# Altium PCB main - Copy.PcbDoc (part 12 of 14)
Units mil, origin at the board's own origin, x right, y up, seen from the top; angles counter-clockwise.
Board outline 8394.55 x 5164.44 mil, 7 copper layers (Top Layer 1, Layer 2, Layer 3, Unused, Layer 4_pow, Layer 5_gnd, Bottom 6+gnd), stack 46.112 mil thick; 406 components, 463 nets, 1919 pads, 903 vias.
Unrouted connection lines stored in the file: 147.
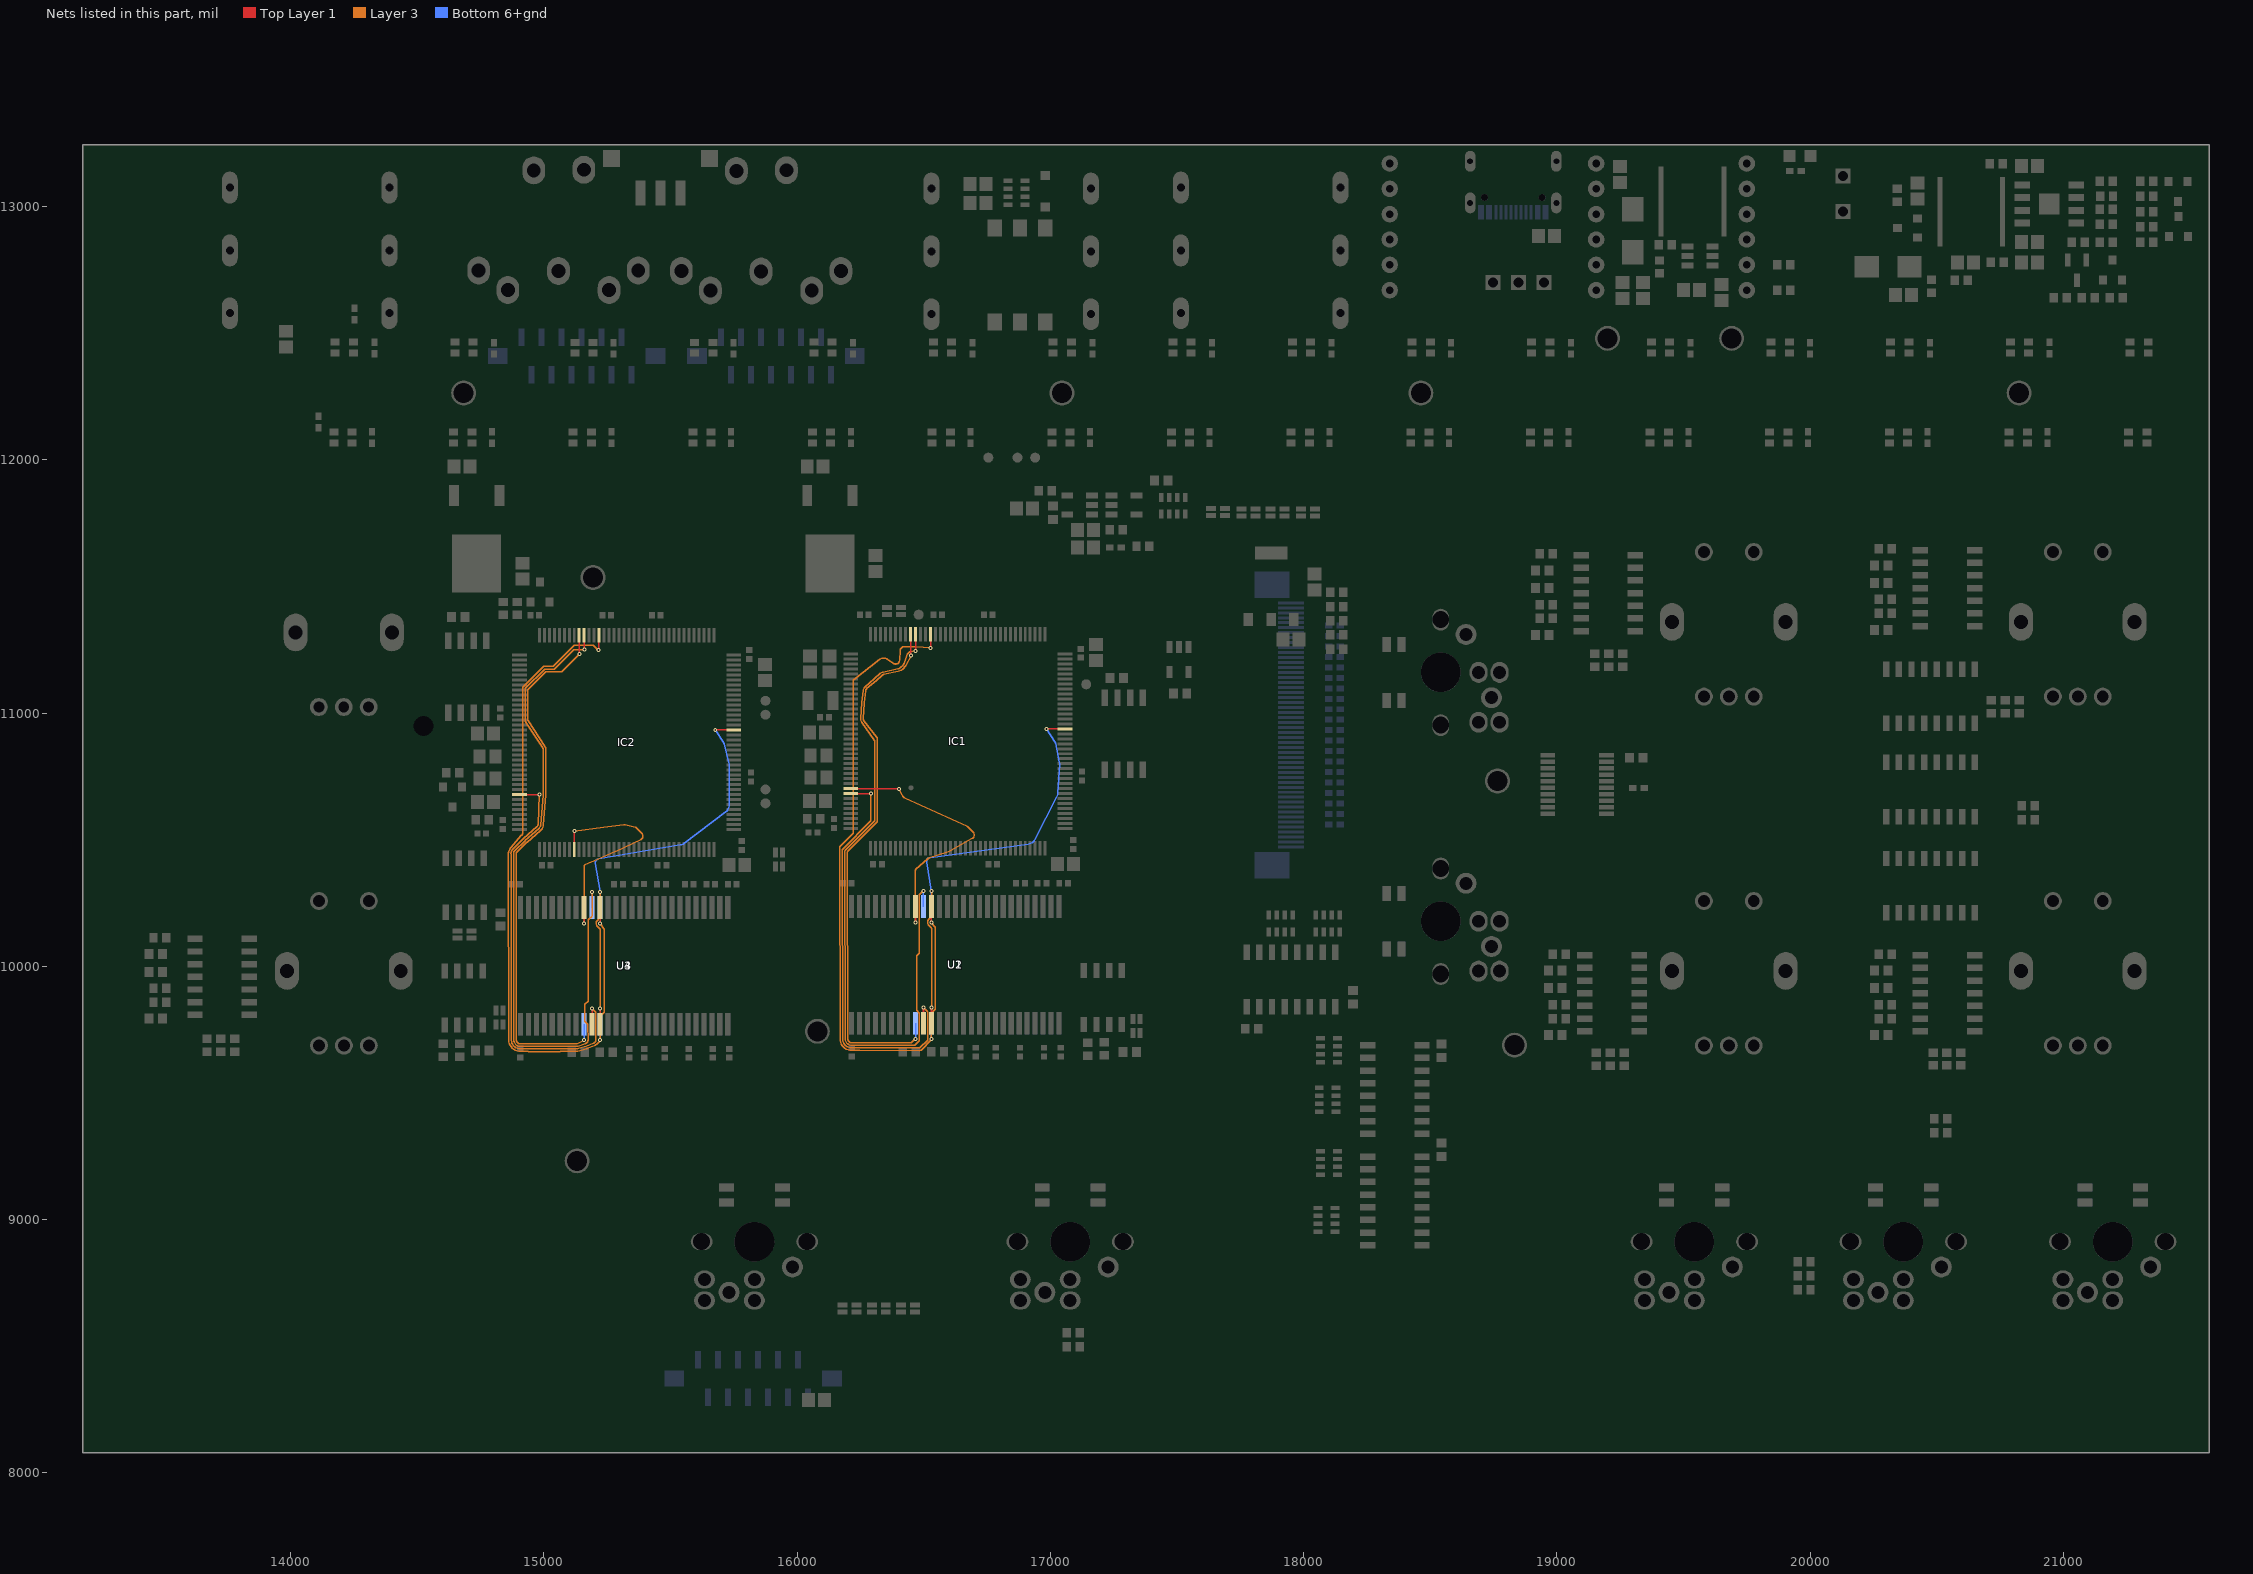
[diagram p16: the nets of this part, all layers, seen from the top]

## Via types
v1: diameter 15.75, hole 7.87, Top Layer 1 to Bottom 6+gnd, tented both sides, 830 vias
v2: diameter 27.56, hole 11.81, Top Layer 1 to Bottom 6+gnd, 45 vias
v3: diameter 23.62/23.62/23.62/23.62/23.62/23.62/23.62 (per signal layer), hole 12, Top Layer 1 to Bottom 6+gnd, tented top, 12 vias
v4: diameter 15.75, hole 7.87, Top Layer 1 to Bottom 6+gnd, 10 vias
v5: diameter 23.62/23.62/23.62/23.62/23.62/23.62/23.62 (per signal layer), hole 12, Top Layer 1 to Bottom 6+gnd, tented bottom, 6 vias

## Nets (pads, with @x,y where several pads share a name; then routed paths per layer and width w, separated by ;. In a path a pad name is that pad's centre, name@x,y a point inside that pad or via, vN(x,y) a via of type N, cw(c..) or ccw(c..) an arc to the next point about the centre after c; other vN are vias at no path point) (continued)
SDCKE_0_6: IC1.29 U1.37 | length 2696.1
  Top Layer 1 w5: IC1.29@16212.26,10682.1 v1(16291.01,10682.08) ; U1.37@16499.02,9775.59 v1@16499.02,9837.43 ; U1.37@16499.26,9775.83 v1(16499.26,9837.68) ; U1.37@16499.51,9775.59 v1@16499.51,9837.43
  Layer 3 w5: 16246.67,9678.13 16215.27,9678.24 ; 16246.7,9678.13 16481.53,9677.96 ccw(c16481.53,9682.96) 16485.01,9679.38 ; v1(16291.01,10682.08) 16291.01,10643.82 16290.98,10575.75 ; 16485.04,9679.4 16515,9709.36 16515,9819.87 ; v1(16499.26,9837.68) 16513.54,9823.35 cw(c16510,9819.82) 16515,9819.91 ; 16178.57,10459.23 cw(c16183.57,10459.2) 16179.99,10462.68 ; 16178.57,10459.23 cw(c16183.57,10459.2) 16179.99,10462.68 ; 16178.57,10459.23 cw(c16183.57,10459.2) 16179.99,10462.68 ; 16178.57,10459.23 cw(c16183.57,10459.2) 16179.99,10462.68 ; 16178.57,10459.23 cw(c16183.57,10459.2) 16179.99,10462.68 ; 16178.57,10459.23 cw(c16183.57,10459.2) 16179.99,10462.68 ; 16178.57,10459.23 cw(c16183.57,10459.2) 16179.99,10462.68 ; 16178.57,10459.23 cw(c16183.57,10459.2) 16179.99,10462.68 ; 16178.57,10459.23 cw(c16183.57,10459.2) 16179.99,10462.68 ; 16178.57,10459.23 cw(c16183.57,10459.2) 16179.99,10462.68 ; 16178.57,10459.23 cw(c16183.57,10459.2) 16179.99,10462.68 ; 16178.57,10459.23 cw(c16183.57,10459.2) 16179.99,10462.68 ; 16178.57,10459.23 cw(c16183.57,10459.2) 16179.99,10462.68 ; 16178.57,10459.23 cw(c16183.57,10459.2) 16179.99,10462.68 ; 16178.57,10459.23 cw(c16183.57,10459.2) 16179.99,10462.68 ; 16178.57,10459.23 cw(c16183.57,10459.2) 16179.99,10462.69 ; 16178.57,10459.23 16178.55,10454.58 ccw(c16193.55,10454.49) 16178.55,10454.49 16178.55,10450.32 16180.05,9713.54 ; 16180.01,10462.71 16289.55,10572.24 ; 16180.05,9713.55 ccw(c16215.42,9713.62) 16215.27,9678.24 ; 16180.05,9713.55 ccw(c16215.42,9713.62) 16215.27,9678.24 ; 16180.05,9713.55 ccw(c16215.42,9713.62) 16215.27,9678.24 ; 16180.05,9713.55 ccw(c16215.42,9713.62) 16215.27,9678.24 ; 16180.05,9713.55 ccw(c16215.42,9713.62) 16215.27,9678.24 ; 16180.05,9713.55 ccw(c16215.42,9713.62) 16215.27,9678.24 ; 16180.05,9713.55 ccw(c16215.42,9713.62) 16215.27,9678.24 ; 16180.05,9713.55 ccw(c16215.42,9713.62) 16215.27,9678.24 ; 16180.05,9713.55 ccw(c16215.42,9713.62) 16215.27,9678.24 ; 16180.05,9713.55 ccw(c16215.42,9713.62) 16215.27,9678.24 ; 16180.05,9713.55 ccw(c16215.42,9713.62) 16215.27,9678.24 ; 16180.05,9713.55 ccw(c16215.42,9713.62) 16215.27,9678.24 ; 16180.05,9713.55 ccw(c16215.42,9713.62) 16215.27,9678.24 ; 16180.05,9713.55 ccw(c16215.42,9713.62) 16215.27,9678.24 ; 16180.05,9713.55 ccw(c16215.42,9713.62) 16215.27,9678.24 ; 16180.05,9713.55 ccw(c16215.42,9713.62) 16215.27,9678.24 ; 16289.57,10572.27 ccw(c16285.98,10575.75) 16290.98,10575.75 ; 16289.57,10572.27 ccw(c16285.98,10575.75) 16290.98,10575.75 ; 16289.57,10572.27 ccw(c16285.98,10575.75) 16290.98,10575.75 ; 16289.57,10572.27 ccw(c16285.98,10575.75) 16290.98,10575.75 ; 16289.57,10572.27 ccw(c16285.98,10575.75) 16290.98,10575.75 ; 16289.57,10572.27 ccw(c16285.98,10575.75) 16290.98,10575.75 ; 16289.57,10572.27 ccw(c16285.98,10575.75) 16290.98,10575.75 ; 16289.57,10572.27 ccw(c16285.98,10575.75) 16290.98,10575.75
SDCKE_1_6: IC1.135 U2.37 | length 4722.9
  Top Layer 1 w5: v1(16467.42,11246.07) 16467.55,11246.2 16467.55,11311.45 IC1.135@16467.68,11311.57
  Layer 3 w5: 16190.01,10458.03 16304.92,10572.94 ; 16305.42,11136.34 16269.33,11104.85 ; 16305.43,11136.34 16328.74,11156.63 cw(c16345.4,11137.5) 16340.04,11162.3 16396.41,11174.48 ; 16306.39,10682.18 cw(c16291.01,10682.09) 16306.39,10681.99 ; 16465.11,9689.59 16482.65,9707.13 16482.65,9814.04 ; v1(16467.42,11246.07) 16447.1,11242.36 ccw(c16449.86,11227.24) 16435.46,11232.6 16422.09,11196.71 ; 16472.91,9827.93 ccw(c16477.91,9827.93) 16474.36,9824.4 ; v1(16498.77,10298.31) 16482.65,10282.18 16482.65,10052.46 16472.91,10042.72 16472.91,9827.92 ; 16188.55,10450.32 cw(c16198.55,10450.34) 16188.55,10450.45 ; 16188.55,10450.32 cw(c16198.55,10450.34) 16188.55,10450.45 ; 16188.55,10450.32 cw(c16198.55,10450.34) 16188.55,10450.45 ; 16188.55,10450.32 cw(c16198.55,10450.34) 16188.55,10450.45 ; 16188.55,10450.32 cw(c16198.55,10450.34) 16188.55,10450.45 ; 16188.55,10450.32 cw(c16198.55,10450.34) 16188.55,10450.45 ; 16188.55,10450.32 cw(c16198.55,10450.34) 16188.55,10450.45 ; 16188.55,10450.32 cw(c16198.55,10450.34) 16188.55,10450.45 ; 16188.55,10450.32 16190.05,9713.56 ; 16188.55,10450.45 16188.57,10454.56 ; 16188.57,10454.56 cw(c16193.57,10454.52) 16189.99,10458 ; 16188.57,10454.56 cw(c16193.57,10454.52) 16189.99,10458 ; 16188.57,10454.56 cw(c16193.57,10454.52) 16189.99,10458 ; 16188.57,10454.56 cw(c16193.57,10454.52) 16189.99,10458 ; 16188.57,10454.56 cw(c16193.57,10454.52) 16189.99,10458 ; 16188.57,10454.56 cw(c16193.57,10454.52) 16189.99,10458 ; 16188.57,10454.56 cw(c16193.57,10454.52) 16189.99,10458.01 ; 16188.57,10454.56 cw(c16193.57,10454.52) 16189.99,10458 ; 16188.57,10454.56 cw(c16193.57,10454.52) 16189.99,10458 ; 16188.57,10454.56 cw(c16193.57,10454.52) 16189.99,10458 ; 16188.57,10454.56 cw(c16193.57,10454.52) 16189.99,10458 ; 16188.57,10454.56 cw(c16193.57,10454.52) 16189.99,10458 ; 16188.57,10454.56 cw(c16193.57,10454.52) 16189.99,10458 ; 16188.57,10454.56 cw(c16193.57,10454.52) 16189.99,10458 ; 16188.57,10454.56 cw(c16193.57,10454.52) 16189.99,10458 ; 16188.57,10454.56 cw(c16193.57,10454.52) 16189.99,10458 ; 16190.05,9713.57 ccw(c16215.42,9713.62) 16215.32,9688.24 ; 16190.05,9713.57 ccw(c16215.42,9713.62) 16215.32,9688.24 ; 16190.05,9713.57 ccw(c16215.42,9713.62) 16215.32,9688.24 ; 16190.05,9713.57 ccw(c16215.42,9713.62) 16215.32,9688.24 ; 16190.05,9713.57 ccw(c16215.42,9713.62) 16215.32,9688.24 ; 16190.05,9713.57 ccw(c16215.42,9713.62) 16215.32,9688.24 ; 16190.05,9713.57 ccw(c16215.42,9713.62) 16215.32,9688.24 ; 16190.05,9713.57 ccw(c16215.42,9713.62) 16215.32,9688.24 ; 16190.05,9713.57 ccw(c16215.42,9713.62) 16215.32,9688.24 ; 16190.05,9713.57 ccw(c16215.42,9713.62) 16215.32,9688.24 ; 16190.05,9713.57 ccw(c16215.42,9713.62) 16215.32,9688.24 ; 16190.05,9713.57 ccw(c16215.42,9713.62) 16215.32,9688.24 ; 16190.05,9713.57 ccw(c16215.42,9713.62) 16215.32,9688.24 ; 16190.05,9713.57 ccw(c16215.42,9713.62) 16215.32,9688.24 ; 16190.05,9713.57 ccw(c16215.42,9713.62) 16215.32,9688.24 ; 16190.05,9713.57 ccw(c16215.42,9713.62) 16215.32,9688.24 ; 16215.32,9688.24 16246.73,9688.13 16449.84,9688.13 16461.61,9688.16 ; 16250.74,10980.39 ccw(c16276.06,10978.64) 16255.27,10964.09 ; 16250.74,10980.39 ccw(c16276.06,10978.64) 16255.27,10964.09 ; 16250.74,10980.39 ccw(c16276.06,10978.64) 16255.27,10964.09 ; 16250.74,10980.39 ccw(c16276.06,10978.64) 16255.27,10964.09 ; 16250.74,10980.39 ccw(c16276.06,10978.64) 16255.27,10964.09 ; 16250.74,10980.39 ccw(c16276.06,10978.64) 16255.27,10964.09 ; 16250.74,10980.39 ccw(c16276.06,10978.64) 16255.27,10964.09 ; 16250.74,10980.39 ccw(c16276.06,10978.64) 16255.27,10964.09 ; 16250.74,10980.39 ccw(c16276.06,10978.64) 16255.27,10964.09 ; 16250.74,10980.39 ccw(c16276.06,10978.64) 16255.27,10964.09 ; 16250.74,10980.39 ccw(c16276.06,10978.64) 16255.27,10964.09 ; 16250.74,10980.39 ccw(c16276.06,10978.64) 16255.27,10964.09 ; 16250.74,10980.39 ccw(c16276.06,10978.64) 16255.27,10964.09 ; 16250.74,10980.39 ccw(c16276.06,10978.64) 16255.27,10964.09 ; 16250.74,10980.39 ccw(c16276.06,10978.64) 16255.27,10964.09 ; 16250.74,10980.39 ccw(c16276.06,10978.64) 16255.27,10964.09 ; 16250.74,10980.39 16254.91,11040.51 cw(c16290.2,11038.08) 16255.09,11042.42 16260.83,11088.82 ; 16255.27,10964.09 16304.45,10893.68 ccw(c16308.57,10896.51) 16304.96,10893.05 cw(c16301.34,10889.6) 16306.34,10889.6 16306.39,10682.17 ; 16260.83,11088.82 cw(c16286.01,11085.73) 16269.33,11104.85 ; 16260.83,11088.82 cw(c16286.01,11085.73) 16269.33,11104.85 ; 16260.83,11088.82 cw(c16286.01,11085.73) 16269.33,11104.85 ; 16260.83,11088.82 cw(c16286.01,11085.73) 16269.33,11104.85 ; 16260.83,11088.82 cw(c16286.01,11085.73) 16269.33,11104.85 ; 16260.83,11088.82 cw(c16286.01,11085.73) 16269.33,11104.85 ; 16260.83,11088.82 cw(c16286.01,11085.73) 16269.33,11104.85 ; 16260.83,11088.82 cw(c16286.01,11085.73) 16269.33,11104.85 ; 16260.83,11088.82 cw(c16286.01,11085.73) 16269.33,11104.85 ; 16260.83,11088.82 cw(c16286.01,11085.73) 16269.33,11104.85 ; 16260.83,11088.82 cw(c16286.01,11085.73) 16269.33,11104.85 ; 16260.83,11088.82 cw(c16286.01,11085.73) 16269.33,11104.85 ; 16260.83,11088.82 cw(c16286.01,11085.73) 16269.33,11104.85 ; 16260.83,11088.82 cw(c16286.01,11085.73) 16269.33,11104.85 ; 16260.83,11088.82 cw(c16286.01,11085.73) 16269.33,11104.85 ; 16260.83,11088.82 cw(c16286.01,11085.73) 16269.33,11104.85 ; 16304.95,10572.97 ccw(c16301.35,10576.44) 16306.35,10576.44 ; 16304.95,10572.97 ccw(c16301.35,10576.44) 16306.35,10576.44 ; 16304.95,10572.97 ccw(c16301.35,10576.44) 16306.35,10576.44 ; 16304.95,10572.97 ccw(c16301.35,10576.44) 16306.35,10576.44 ; 16304.95,10572.97 ccw(c16301.35,10576.44) 16306.35,10576.44 ; 16304.95,10572.97 ccw(c16301.35,10576.44) 16306.35,10576.44 ; 16304.95,10572.97 ccw(c16301.35,10576.44) 16306.35,10576.44 ; 16304.95,10572.97 ccw(c16301.35,10576.44) 16306.35,10576.44 ; 16304.95,10572.97 ccw(c16301.35,10576.44) 16306.35,10576.44 ; 16304.95,10572.97 ccw(c16301.35,10576.44) 16306.35,10576.44 ; 16304.95,10572.97 ccw(c16301.35,10576.44) 16306.35,10576.44 ; 16304.95,10572.97 ccw(c16301.35,10576.44) 16306.35,10576.44 ; 16304.95,10572.97 ccw(c16301.35,10576.44) 16306.35,10576.44 ; 16304.95,10572.97 ccw(c16301.35,10576.44) 16306.35,10576.44 ; 16304.95,10572.97 ccw(c16301.35,10576.44) 16306.35,10576.44 ; 16304.95,10572.97 ccw(c16301.35,10576.44) 16306.35,10576.44 ; 16306.35,10576.44 16306.39,10681.99 ; 16306.39,10681.99 ccw(c16291.01,10682.09) 16306.39,10682.17 ; 16306.39,10681.99 ccw(c16291.01,10682.09) 16306.39,10682.17 ; 16306.39,10681.99 ccw(c16291.01,10682.09) 16306.39,10682.17 ; 16306.39,10681.99 ccw(c16291.01,10682.09) 16306.39,10682.17 ; 16306.39,10681.99 ccw(c16291.01,10682.09) 16306.39,10682.17 ; 16306.39,10681.99 ccw(c16291.01,10682.09) 16306.39,10682.17 ; 16306.39,10681.99 ccw(c16291.01,10682.09) 16306.39,10682.17 ; 16306.39,10681.99 ccw(c16291.01,10682.09) 16306.39,10682.17 ; 16306.39,10681.99 ccw(c16291.01,10682.09) 16306.39,10682.17 ; 16306.39,10681.99 ccw(c16291.01,10682.09) 16306.39,10682.17 ; 16306.39,10681.99 ccw(c16291.01,10682.09) 16306.39,10682.17 ; 16306.39,10681.99 ccw(c16291.01,10682.09) 16306.39,10682.17 ; 16306.39,10681.99 ccw(c16291.01,10682.09) 16306.39,10682.17 ; 16306.39,10681.99 ccw(c16291.01,10682.09) 16306.39,10682.17 ; 16306.39,10681.99 ccw(c16291.01,10682.09) 16306.39,10682.17 ; 16396.41,11174.48 ccw(c16388.94,11209.06) 16422.09,11196.71 ; 16396.41,11174.48 ccw(c16388.94,11209.06) 16422.09,11196.71 ; 16396.41,11174.48 ccw(c16388.94,11209.06) 16422.09,11196.71 ; 16396.41,11174.48 ccw(c16388.94,11209.06) 16422.09,11196.71 ; 16396.41,11174.48 ccw(c16388.94,11209.06) 16422.09,11196.71 ; 16396.41,11174.48 ccw(c16388.94,11209.06) 16422.09,11196.71 ; 16396.41,11174.48 ccw(c16388.94,11209.06) 16422.09,11196.71 ; 16396.41,11174.48 ccw(c16388.94,11209.06) 16422.09,11196.71 ; 16396.41,11174.48 ccw(c16388.94,11209.06) 16422.09,11196.71 ; 16396.41,11174.48 ccw(c16388.94,11209.06) 16422.09,11196.71 ; 16396.41,11174.48 ccw(c16388.94,11209.06) 16422.09,11196.71 ; 16396.41,11174.48 ccw(c16388.94,11209.06) 16422.09,11196.71 ; 16396.41,11174.48 ccw(c16388.94,11209.06) 16422.09,11196.71 ; 16396.41,11174.48 ccw(c16388.94,11209.06) 16422.09,11196.71 ; 16396.41,11174.48 ccw(c16388.94,11209.06) 16422.09,11196.71 ; 16396.41,11174.48 ccw(c16388.94,11209.06) 16422.09,11196.71 ; 16461.61,9688.16 ccw(c16461.6,9693.16) 16465.08,9689.57 ; 16461.61,9688.16 ccw(c16461.6,9693.16) 16465.08,9689.57 ; 16461.61,9688.16 ccw(c16461.6,9693.16) 16465.08,9689.57 ; 16461.61,9688.16 ccw(c16461.6,9693.16) 16465.08,9689.57 ; 16461.61,9688.16 ccw(c16461.6,9693.16) 16465.08,9689.57 ; 16461.61,9688.16 ccw(c16461.6,9693.16) 16465.08,9689.57 ; 16461.61,9688.16 ccw(c16461.6,9693.16) 16465.08,9689.57 ; 16461.61,9688.16 ccw(c16461.6,9693.16) 16465.08,9689.57 ; 16461.61,9688.16 ccw(c16461.6,9693.16) 16465.08,9689.57 ; 16461.61,9688.16 ccw(c16461.6,9693.16) 16465.08,9689.57 ; 16461.61,9688.16 ccw(c16461.6,9693.16) 16465.08,9689.57 ; 16461.61,9688.16 ccw(c16461.6,9693.16) 16465.08,9689.57 ; 16461.61,9688.16 ccw(c16461.6,9693.16) 16465.08,9689.57 ; 16461.61,9688.16 ccw(c16461.6,9693.16) 16465.08,9689.57 ; 16461.61,9688.16 ccw(c16461.6,9693.16) 16465.08,9689.57 ; 16461.61,9688.16 ccw(c16461.6,9693.16) 16465.08,9689.57 ; 16472.91,9827.92 ccw(c16477.91,9827.93) 16474.36,9824.4 ; 16472.91,9827.92 ccw(c16477.91,9827.93) 16474.36,9824.4 ; 16472.91,9827.92 ccw(c16477.91,9827.93) 16474.36,9824.4 ; 16472.91,9827.92 ccw(c16477.91,9827.93) 16474.36,9824.4 ; 16472.91,9827.92 ccw(c16477.91,9827.93) 16474.36,9824.4 ; 16472.91,9827.92 ccw(c16477.91,9827.93) 16474.36,9824.4 ; 16472.91,9827.92 ccw(c16477.91,9827.93) 16474.36,9824.4 ; 16472.91,9827.92 ccw(c16477.91,9827.93) 16474.36,9824.4 ; 16472.91,9827.92 ccw(c16477.91,9827.93) 16474.36,9824.4 ; 16472.91,9827.92 ccw(c16477.91,9827.93) 16474.36,9824.4 ; 16472.91,9827.92 ccw(c16477.91,9827.93) 16474.36,9824.4 ; 16472.91,9827.92 ccw(c16477.91,9827.93) 16474.36,9824.4 ; 16472.91,9827.92 ccw(c16477.91,9827.93) 16474.36,9824.4 ; 16472.91,9827.92 ccw(c16477.91,9827.93) 16474.36,9824.4 ; 16472.91,9827.92 ccw(c16477.91,9827.93) 16474.36,9824.4 ; 16474.36,9824.4 16481.2,9817.52 ; 16481.2,9817.52 cw(c16477.65,9814) 16482.65,9814.09 ; 16481.2,9817.52 cw(c16477.65,9814) 16482.65,9814.09 ; 16481.2,9817.52 cw(c16477.65,9814) 16482.65,9814.09 ; 16481.2,9817.52 cw(c16477.65,9814) 16482.65,9814.09 ; 16481.2,9817.52 cw(c16477.65,9814) 16482.65,9814.09 ; 16481.2,9817.52 cw(c16477.65,9814) 16482.65,9814.09 ; 16481.2,9817.52 cw(c16477.65,9814) 16482.65,9814.09 ; 16481.2,9817.52 cw(c16477.65,9814) 16482.65,9814.09 ; 16481.2,9817.52 cw(c16477.65,9814) 16482.65,9814.09 ; 16481.2,9817.52 cw(c16477.65,9814) 16482.65,9814.09 ; 16481.2,9817.52 cw(c16477.65,9814) 16482.65,9814.09 ; 16481.2,9817.52 cw(c16477.65,9814) 16482.65,9814.09 ; 16481.2,9817.52 cw(c16477.65,9814) 16482.65,9814.09 ; 16481.2,9817.52 cw(c16477.65,9814) 16482.65,9814.09 ; 16481.2,9817.52 cw(c16477.65,9814) 16482.65,9814.09 ; 16481.2,9817.52 cw(c16477.65,9814) 16482.65,9814.09
  Bottom 6+gnd w5: U2.37@16499.02,10236.22 v1@16499.02,10298.06
SDCKE_01_7: IC2.29 U3.37 | length 1647.9
  Top Layer 1 w5: IC2.29@14904,10677.94 v1(14982.71,10677.89) ; U3.37@15190.72,9771.4 v1@15190.72,9833.24
  Layer 3 w5: 14870.25,10445.04 14870.25,10447.12 cw(c14875.25,10447.09) 14870.36,10448.17 14870.86,10450.43 cw(c14895.27,10445.04) 14877.6,10462.72 14918.75,10503.84 cw(c14943.5,10479.09) 14920.61,10505.57 14972.62,10550.55 ccw(c14962.57,10562.18) 14977.93,10561.54 v1(14982.71,10677.89) ; 14871.75,10443.52 14871.75,9709.36 ccw(c14907.12,9709.43) 14907.18,9674.05 14938.29,9674.05 14938.41,9673.94 ; 14938.44,9673.94 15064.55,9673.94 ; 15064.58,9673.94 15127.57,9674.1 ccw(c15127.48,9709.47) 15138.51,9675.86 15166.91,9685.21 ; 15168.06,9685.62 15195.98,9696.33 ccw(c15190.47,9710.69) 15201.42,9699.89 15204.4,9702.91 ; v1(15190.96,9833.49) 15205.84,9818.6 15205.84,9704.36 15204.42,9702.94
SDCKE_11_7: IC2.135 U4.37 | length 2788.7
  Top Layer 1 w5: IC2.135@15159.44,11307.38 15159.68,11307.08 15159.68,11252.37 v1(15159.99,11252.06)
  Layer 3 w5: 14926.7,11096.08 14926.7,11090.84 ccw(c14941.7,11090.76) 14926.7,11090.76 14926.7,10971.7 ccw(c14941.7,10971.71) 14929.21,10963.4 14995.45,10863.86 cw(c14982.71,10855.26) 14998.09,10855.26 14998.09,10815.26 14998.09,10677.9 cw(c14982.71,10677.9) 14998.04,10676.74 14998.04,10676.67 cw(c14982.71,10677.89) 14998.03,10676.56 14987.84,10559.97 cw(c14962.57,10562.18) 14979.16,10542.98 14927.16,10498.01 ccw(c14943.5,10479.09) 14925.84,10496.78 14884.67,10455.65 ccw(c14895.27,10445.04) 14880.27,10445.01 14881.47,10443.82 cw(c14871.75,10441.47) 14881.75,10441.47 14881.75,9709.38 ccw(c14907.12,9709.43) 14907.21,9684.05 14938.32,9684.05 14938.43,9683.94 ccw(c14938.5,9709.31) 14938.5,9683.94 15064.53,9683.94 15127.58,9684.1 ccw(c15127.48,9709.47) 15135.41,9685.37 15163.75,9694.7 ccw(c15158.97,9709.31) 15174.35,9709.38 15174.3,9767.94 ccw(c15169.3,9767.94) 15172.93,9771.38 15172.88,9771.43 15161.7,9782.61 15161.7,9849.63 15174.35,9862.28 15174.35,10182.28 15175.79,10183.72 15189.01,10196.98 ccw(c15185.47,10200.52) 15190.47,10200.43 v1(15190.47,10294.12) ; 14926.73,11096.11 cw(c14931.73,11096.08) 14926.91,11097.41 15003.21,11173.71 15040.97,11173.71 15117.26,11250.01 15157.93,11250.01 v1(15159.99,11252.06)
  Bottom 6+gnd w5: U4.37@15190.72,10232.03 v1@15190.72,10293.87
SDCLK1_7: IC2.93 U3.38 U4.38 | length 2925
  Top Layer 1 w5: U3.38@15222.21,9771.4 v1@15222.21,9833.24 ; v1@15676.86,10933.84 IC2.93@15749.52,10933.84
  Layer 3 w5: v1(15221.97,10294.12) 15222.46,10293.63 15222.46,10195.56 ; v1(15222.46,9833.49) 15222.46,10145.64 ; 15221,10149.12 cw(c15217.46,10145.59) 15222.46,10145.68 ; 15221,10149.12 cw(c15217.46,10145.59) 15222.46,10145.68 ; 15221,10149.12 cw(c15217.46,10145.59) 15222.46,10145.68 ; 15221,10149.12 cw(c15217.46,10145.59) 15222.46,10145.68 ; 15221,10149.12 cw(c15217.46,10145.59) 15222.46,10145.68 ; 15221,10149.12 cw(c15217.46,10145.59) 15222.46,10145.68 ; 15221,10149.12 cw(c15217.46,10145.59) 15222.46,10145.68 ; 15221,10149.12 cw(c15217.46,10145.59) 15222.46,10145.68 ; 15221,10149.12 cw(c15217.46,10145.59) 15222.46,10145.68 ; 15221,10149.12 cw(c15217.46,10145.59) 15222.46,10145.68 ; 15221,10149.12 cw(c15217.46,10145.59) 15222.46,10145.68 ; 15221,10149.12 cw(c15217.46,10145.59) 15222.46,10145.68 ; 15221,10149.12 cw(c15217.46,10145.59) 15222.46,10145.68 ; 15221,10149.12 cw(c15217.46,10145.59) 15222.46,10145.68 ; 15221,10149.12 cw(c15217.46,10145.59) 15222.46,10145.68 ; 15221,10149.12 cw(c15217.46,10145.59) 15222.46,10145.68 ; 15221,10149.12 15211.07,10159.1 cw(c15221.97,10169.94) 15210.44,10180.12 15221.2,10192.29 ; 15221.2,10192.29 ccw(c15217.46,10195.6) 15222.46,10195.51 ; 15221.2,10192.29 ccw(c15217.46,10195.6) 15222.46,10195.51 ; 15221.2,10192.29 ccw(c15217.46,10195.6) 15222.46,10195.51 ; 15221.2,10192.29 ccw(c15217.46,10195.6) 15222.46,10195.51 ; 15221.2,10192.29 ccw(c15217.46,10195.6) 15222.46,10195.51 ; 15221.2,10192.29 ccw(c15217.46,10195.6) 15222.46,10195.51 ; 15221.2,10192.29 ccw(c15217.46,10195.6) 15222.46,10195.51 ; 15221.2,10192.29 ccw(c15217.46,10195.6) 15222.46,10195.51 ; 15221.2,10192.29 ccw(c15217.46,10195.6) 15222.46,10195.51 ; 15221.2,10192.29 ccw(c15217.46,10195.6) 15222.46,10195.51 ; 15221.2,10192.29 ccw(c15217.46,10195.6) 15222.46,10195.51 ; 15221.2,10192.29 ccw(c15217.46,10195.6) 15222.46,10195.51 ; 15221.2,10192.29 ccw(c15217.46,10195.6) 15222.46,10195.51 ; 15221.2,10192.29 ccw(c15217.46,10195.6) 15222.46,10195.51 ; 15221.2,10192.29 ccw(c15217.46,10195.6) 15222.46,10195.51 ; 15221.2,10192.29 ccw(c15217.46,10195.6) 15222.46,10195.51
  Bottom 6+gnd w5: v1@15221.72,10294.36 v1(15221.97,10294.12) U4.38@15221.97,10232.28 ; v1@15676.53,10934.01 v1(15676.78,10933.76) 15709.7,10882.73 cw(c15696.78,10874.39) 15711.65,10878.3 15730.99,10804.64 cw(c15696.78,10795.65) 15732.15,10795.65 15732.15,10638.17 ; 15203.31,10406.96 cw(c15218.49,10409.41) 15215.97,10424.58 ; 15203.31,10406.96 cw(c15218.49,10409.41) 15215.97,10424.58 ; 15203.31,10406.96 cw(c15218.49,10409.41) 15215.97,10424.58 ; 15203.31,10406.96 cw(c15218.49,10409.41) 15215.97,10424.58 ; 15203.31,10406.96 cw(c15218.49,10409.41) 15215.97,10424.58 ; 15203.31,10406.96 cw(c15218.49,10409.41) 15215.97,10424.58 ; 15203.31,10406.96 cw(c15218.49,10409.41) 15215.97,10424.58 ; 15203.31,10406.96 cw(c15218.49,10409.41) 15215.97,10424.58 ; 15203.31,10406.96 cw(c15218.49,10409.41) 15215.97,10424.58 ; 15203.31,10406.96 cw(c15218.49,10409.41) 15215.97,10424.58 ; 15203.31,10406.96 cw(c15218.49,10409.41) 15215.97,10424.58 ; 15203.31,10406.96 cw(c15218.49,10409.41) 15215.97,10424.58 ; 15203.31,10406.96 cw(c15218.49,10409.41) 15215.97,10424.58 ; 15203.31,10406.96 cw(c15218.49,10409.41) 15215.97,10424.58 ; 15203.31,10406.96 cw(c15218.49,10409.41) 15215.97,10424.58 ; 15203.31,10406.96 cw(c15218.49,10409.41) 15215.97,10424.58 ; 15203.31,10406.96 v1@15221.78,10294.89 ; 15215.97,10424.58 15539.09,10479.52 ; v1@15221.78,10294.88 ccw(c15226.72,10295.67) v1(15221.97,10294.12) ; v1@15221.78,10294.89 ccw(c15226.72,10295.67) v1(15221.97,10294.12) ; v1@15221.78,10294.88 ccw(c15226.72,10295.67) v1(15221.97,10294.12) ; v1@15221.78,10294.88 ccw(c15226.72,10295.67) v1(15221.97,10294.12) ; v1@15221.78,10294.88 ccw(c15226.72,10295.67) v1(15221.97,10294.12) ; v1@15221.78,10294.88 ccw(c15226.72,10295.67) v1(15221.97,10294.12) ; v1@15221.78,10294.88 ccw(c15226.72,10295.67) v1(15221.97,10294.12) ; v1@15221.78,10294.88 ccw(c15226.72,10295.67) v1(15221.97,10294.12) ; v1@15221.78,10294.88 ccw(c15226.72,10295.67) v1(15221.97,10294.12) ; v1@15221.78,10294.88 ccw(c15226.72,10295.67) v1(15221.97,10294.12) ; v1@15221.78,10294.88 ccw(c15226.72,10295.67) v1(15221.97,10294.12) ; v1@15221.78,10294.88 ccw(c15226.72,10295.67) v1(15221.97,10294.12) ; v1@15221.78,10294.88 ccw(c15226.72,10295.67) v1(15221.97,10294.12) ; v1@15221.78,10294.88 ccw(c15226.72,10295.67) v1(15221.97,10294.12) ; v1@15221.78,10294.88 ccw(c15226.72,10295.67) v1(15221.97,10294.12) ; v1@15221.78,10294.88 ccw(c15226.72,10295.67) v1(15221.97,10294.12) ; 15539.09,10479.52 ccw(c15533.16,10514.39) 15554.48,10486.17 ; 15539.09,10479.52 ccw(c15533.16,10514.39) 15554.48,10486.17 ; 15539.09,10479.52 ccw(c15533.16,10514.39) 15554.48,10486.17 ; 15539.09,10479.52 ccw(c15533.16,10514.39) 15554.48,10486.17 ; 15539.09,10479.52 ccw(c15533.16,10514.39) 15554.48,10486.17 ; 15539.09,10479.52 ccw(c15533.16,10514.39) 15554.48,10486.17 ; 15539.09,10479.52 ccw(c15533.16,10514.39) 15554.48,10486.17 ; 15539.09,10479.52 ccw(c15533.16,10514.39) 15554.48,10486.17 ; 15539.09,10479.52 ccw(c15533.16,10514.39) 15554.48,10486.17 ; 15539.09,10479.52 ccw(c15533.16,10514.39) 15554.48,10486.17 ; 15539.09,10479.52 ccw(c15533.16,10514.39) 15554.48,10486.17 ; 15539.09,10479.52 ccw(c15533.16,10514.39) 15554.48,10486.17 ; 15539.09,10479.52 ccw(c15533.16,10514.39) 15554.48,10486.17 ; 15539.09,10479.52 ccw(c15533.16,10514.39) 15554.48,10486.17 ; 15539.09,10479.52 ccw(c15533.16,10514.39) 15554.48,10486.17 ; 15539.09,10479.52 ccw(c15533.16,10514.39) 15554.48,10486.17 ; 15554.48,10486.17 15718.12,10609.96 ; 15718.12,10609.96 ccw(c15696.78,10638.17) 15732.15,10638.17 ; 15718.12,10609.96 ccw(c15696.78,10638.17) 15732.15,10638.17 ; 15718.12,10609.96 ccw(c15696.78,10638.17) 15732.15,10638.17 ; 15718.12,10609.96 ccw(c15696.78,10638.17) 15732.15,10638.17 ; 15718.12,10609.96 ccw(c15696.78,10638.17) 15732.15,10638.17 ; 15718.12,10609.96 ccw(c15696.78,10638.17) 15732.15,10638.17 ; 15718.12,10609.96 ccw(c15696.78,10638.17) 15732.15,10638.17 ; 15718.12,10609.96 ccw(c15696.78,10638.17) 15732.15,10638.17 ; 15718.12,10609.96 ccw(c15696.78,10638.17) 15732.15,10638.17 ; 15718.12,10609.96 ccw(c15696.78,10638.17) 15732.15,10638.17 ; 15718.12,10609.96 ccw(c15696.78,10638.17) 15732.15,10638.17 ; 15718.12,10609.96 ccw(c15696.78,10638.17) 15732.15,10638.17 ; 15718.12,10609.96 ccw(c15696.78,10638.17) 15732.15,10638.17 ; 15718.12,10609.96 ccw(c15696.78,10638.17) 15732.15,10638.17 ; 15718.12,10609.96 ccw(c15696.78,10638.17) 15732.15,10638.17 ; 15718.12,10609.96 ccw(c15696.78,10638.17) 15732.15,10638.17